# Altium PCB ArduinoZeroV4.0.PcbDoc (part 1 of 2) (continued)
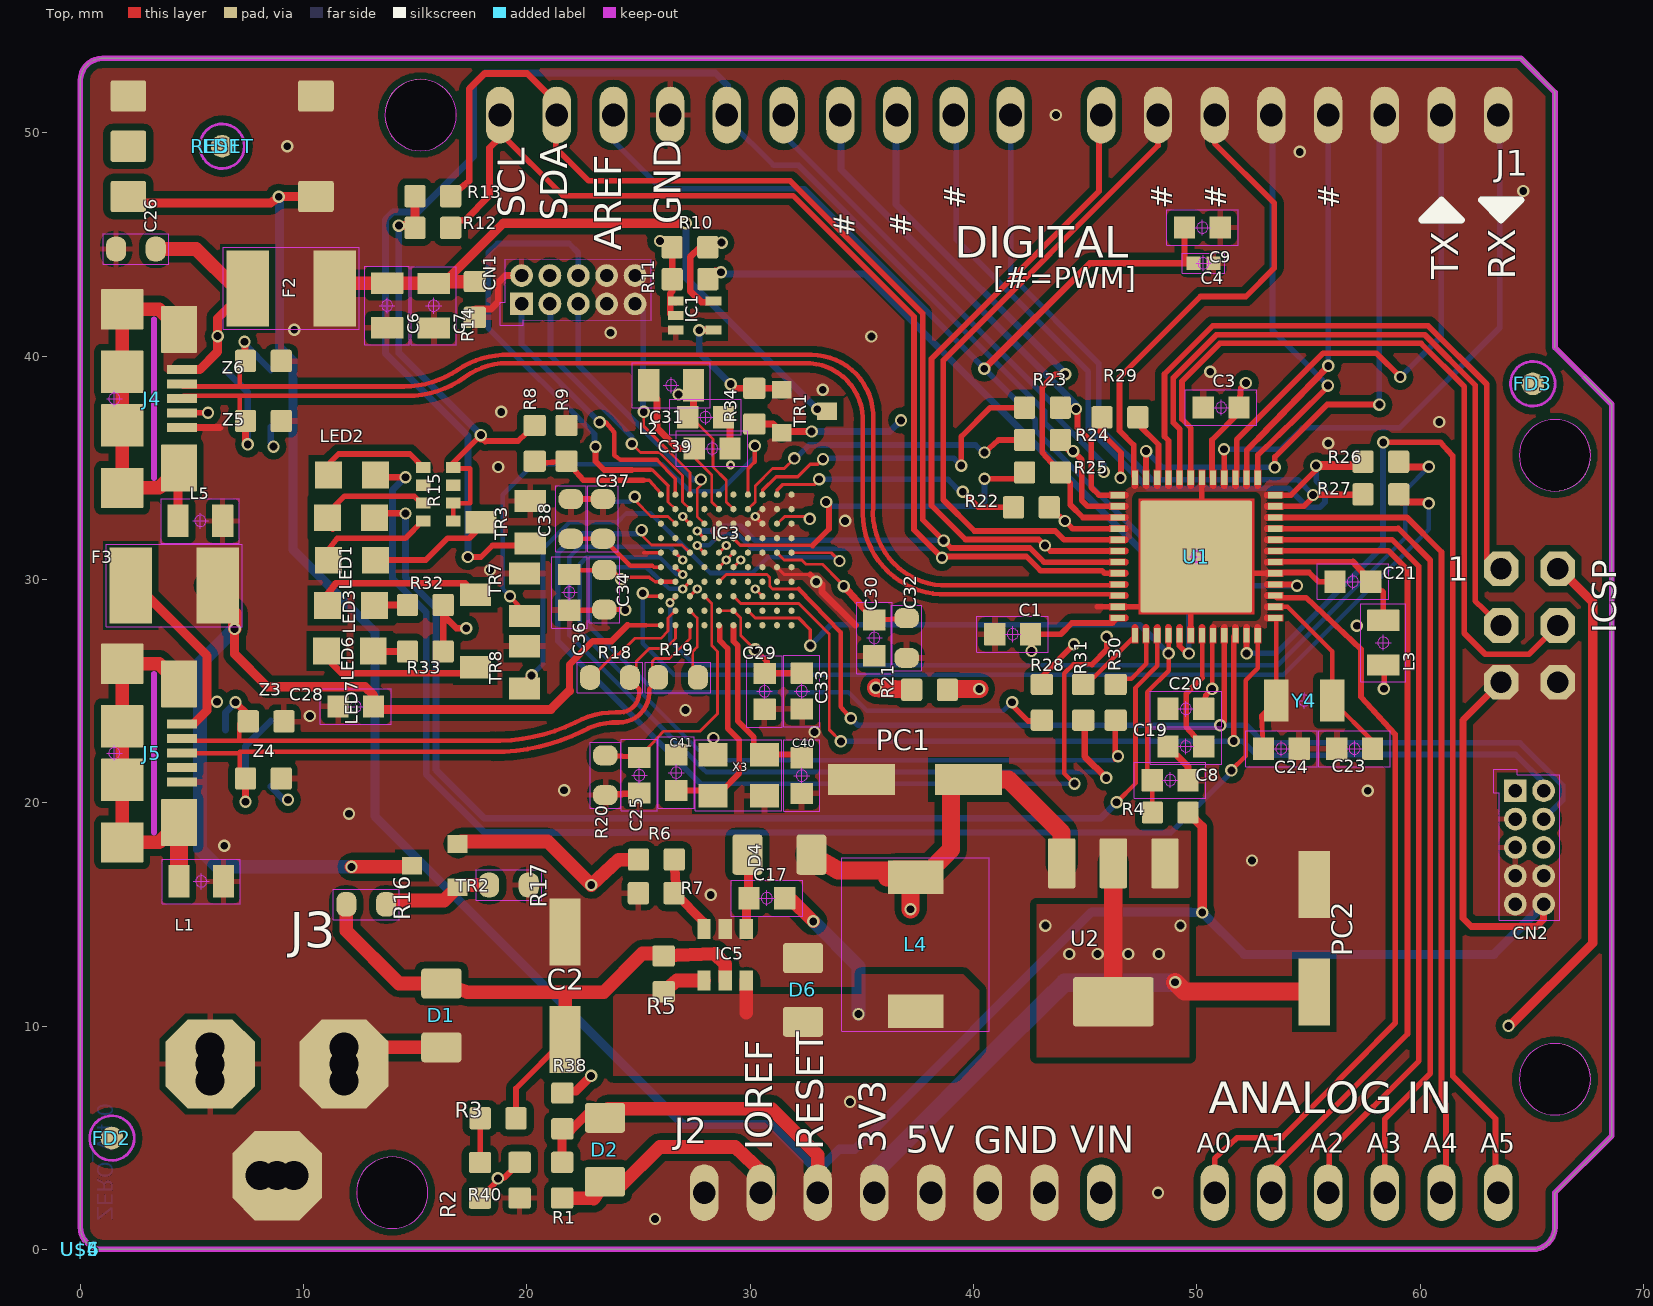
[diagram p0: Top view]
## Components (designator, comment, footprint, x,y, rotation, side; value= is the part's Value field where it differs from the comment)
BD+ "" TP-1.00MM 8.529,23.664 r0 top
BD- "" TP-1.00MM 6.5,23.266 r0 top
C1 "100n" 0603-1608X90N 41.755,27.55 r180 top
C2 "" PANASONIC_D 21.71,11.81 r270 top
C3 "100n" 0603-1608X90N 51.09,37.7 r0 top
C4 "100n" 0402-1005X55N 50.299,44.16 r0 top
C6 "22u" 0805-R2013X50N 13.74,42.27 r270 top
C7 "22u" 0805-R2013X50N 15.83,42.26 r270 top
C8 "10n" 0603-1608X90N 48.808,21.013 r0 top
C9 "" 0603-1608X90N 50.25,45.76 r180 top
C17 "10n" 0603-1608X90N 30.743,15.728 r0 top
C19 "100n" 0603-1608X90N 49.51,22.522 r180 top
C20 "100n" 0603-1608X90N 49.51,24.204 r180 top
C21 "100n" 0603-1608X90N 56.99,29.906 r180 top
C23 "22p" 0603-1608X90N 57.066,22.421 r0 top
C24 "22p" 0603-1608X90N 53.785,22.423 r180 top
C25 "10p" 0603-1608X90N 25.036,21.234 r270 top
C26 "10n" C0603-ROUND 2.49,44.8 r180 top
C28 "" 0603-1608X90N 12.334,24.311 r180 top
C29 "100n" 0603-1608X90N 30.645,24.99 r270 top
C30 "100n" 0603-1608X90N 35.561,27.381 r270 top
C31 "100n" 0603-1608X90N 27.999,37.272 r0 top
C32 "1uF" C0603-ROUND 37.008,27.381 r270 top
C33 "1u" 0603-1608X90N 32.313,25 r270 top
C34 "1uF" C0603-ROUND 23.473,29.54 r270 top
C36 "100n" 0603-1608X90N 21.902,29.42 r270 top
C37 "10nF" C0603-ROUND 23.406,32.714 r90 top
C38 "1uF" C0603-ROUND 21.972,32.714 r90 top
C39 "100n" 0603-1608X90N 28.299,35.864 r0 top
C40 "10p" 0603-1608X90N 32.31,21.214 r270 top
C41 "10p" 0603-1608X90N 26.688,21.349 r90 top
CN1 "" PINHEAD_2X05_127 22.301,42.977 r90 top
CN2 "" PINHEAD_2X05_127 64.897,18 r0 top
D1 "SS24FL" SOD123F 16.168,10.476 r90 top
D2 "SS24FL" SOD123F 23.496,4.46 r270 top
D4 "SS24FL" SOD123F 31.307,17.676 r180 top
D6 "SS24FL" SOD123F 32.364,11.618 r270 top
D+ "" TP-1.00MM 6.5,39.37 r0 top
D- "" TP-1.00MM 8.529,39.37 r0 top
F2 "MF-MSMF050-2 500mA" L1812 9.447,43.039 r180 top
F3 "MF-MSMF050-2 500mA" L1812 4.201,29.732 r180 top
FD1 "" FD-1-1.5 6.35,49.403 r0 top
FD2 "" FD-1-1.5 1.416,4.984 r0 top
FD3 "" FD-1-1.5 65.049,38.764 r0 top
IC1 "74LVC1G125DCKR" SC70-5 27.508,41.823 r270 top
IC3 "" VFBGA100 28.925,30.875 r180 top
IC5 "LM2734Y" SOT23-6 28.879,13.191 r180 top
ICSP "-" 2X03 64.897,27.94 r90 top
J1 "-" 1X18-CUSTOM 45.72,50.8 r180 top
J2 "-" 1X14-CUSTOM 45.72,2.54 r0 top
J3 "-" POWERSUPPLY_DC-21MM 5.461,8.382 r90 top
J4 "" ZX62-AB-5PA 1.524,38.1 r270 top
J5 "" ZX62-AB-5PA 1.524,22.225 r270 top
L1 "30R" 0805-R2013X50N 5.415,16.48 r180 top
L2 "30R" 0805-R2013X50N 26.46,38.7 r180 top
L3 "30R" 0805-R2013X50N 58.35,27.17 r270 top
L4 "10uH-SRR0604-100ML" SRR0604 37.413,13.66 r270 top
L5 "30R" 0805-R2013X50N 5.375,32.625 r0 top
LED1 "YELLOW" CHIPLED_0805 12.119,32.769 r0 top
LED2 "YELLOW" CHIPLED_0805 12.169,34.674 r0 top
LED3 "YELLOW" CHIPLED_0805 12.169,30.864 r0 top
LED6 "YELLOW" CHIPLED_0805 12.119,28.829 r180 top
LED7 "YELLOW" CHIPLED_0805 12.069,26.797 r180 top
PC1 "47u" PANASONIC_D 37.38,21.04 r0 top
PC2 "47u" PANASONIC_D 55.263,13.93 r270 top
R1 "10k" C0603 21.578,3.1 r270 top
R2 "" C0603 17.9,3.09 r270 top
R3 "" C0603 18.71,5.87 r180 top
R4 "330R" C0603 48.811,19.565 r0 top
R5 "52k3" C0603 26.126,12.342 r270 top
R6 "52k3" C0603 25.799,17.458 r0 top
R7 "10k" C0603 25.789,15.951 r180 top
R8 "52k3" C0603 20.35,36.1 r90 top
R9 "52k3" C0603 21.774,36.1 r270 top
R10 "10k" C0603 27.303,44.879 r0 top
R11 "330R" C0603 27.307,43.449 r0 top
R12 "10k" C0603 15.786,45.746 r180 top
R13 "10k" C0603 15.786,47.165 r180 top
R14 "10k" C0603 17.67,42.54 r90 top
R15 "470R" CAY16 16.035,33.82 r270 top
R16 "52K3" R0603-ROUND 12.807,15.45 r180 top
R17 "52K3" R0603-ROUND 19.195,16.317 r180 top
R18 "39R" R0603-ROUND 23.719,25.611 r180 top
R19 "39R" R0603-ROUND 26.766,25.613 r0 top
R20 "6K8" R0603-ROUND 23.516,21.234 r90 top
R21 "0R" C0603 38.03,25.06 r180 top
R22 "330R" C0603 42.59,33.233 r0 top
R23 "330R" C0603 43.09,37.696 r0 top
R24 "330R" C0603 43.09,36.244 r0 top
R25 "330R" C0603 43.09,34.793 r0 top
R26 "330R" C0603 58.242,35.274 r0 top
R27 "330R" C0603 58.242,33.81 r0 top
R28 "330R" C0603 43.063,24.5 r270 top
R29 "330R" C0603 46.558,37.262 r180 top
R30 "330R" C0603 46.366,24.5 r270 top
R31 "330R" C0603 44.915,24.5 r270 top
R32 "330R" C0603 15.45,28.854 r0 top
R33 "330R" C0603 15.45,26.772 r0 top
R34 "10k" C0603 30.182,37.761 r270 top
R38 "330R" C0603 21.589,6.2 r270 top
R40 "52k3" C0603 19.674,3.1 r90 top
RESET "-" TS42 6.35,49.403 r180 top
TP_EDBG_FORCE_BOOT "" TP-SP 23.875,33.488 r0 top
TP_GND "" TP-SP 26.41,50.798 r0 top
TR1 "PMV48XP" SOT-23 32.43,37.511 r270 top
TR2 "PMV48XP" SOT-23 15.87,17.215 r90 top
TR3 "2N7002" SOT23 19.045,32.565 r90 top
TR7 "2N7002" SOT23 18.795,29.315 r90 top
TR8 "2N7002" SOT23 18.795,26.065 r90 top
U1 "" QFN50P700X700X90-49XN-EPSQ515 49.978,31.028 r180 top
U2 "-" SOT223 46.26,14.19 r270 top
U5V1 "" TP-1.00MM 8.529,20.726 r0 top
U5V2 "" TP-1.00MM 8.529,36.83 r0 top
U$4 "" FRAME 0,0 r0 top
U$5 "" FRAME 0,0 r0 top
U$6 "" FRAME 0,0 r0 top
UGND1 "" TP-1.00MM 6.5,20.726 r0 top
UGND2 "" TP-1.00MM 6.5,36.83 r0 top
X3 "12mHz-12pF-K7" CRYSTAL-3.2-2.5 29.483,21.234 r0 top
Y4 "32768Hz" ABS07 54.807,24.581 r0 top
Z3 "" C0603 8.325,23.647 r180 top
Z4 "" C0603 8.2,21.089 r180 top
Z5 "-" C0603 8.2,37.101 r0 top
Z6 "-" C0603 8.2,39.789 r0 top

## Footprints (in the part's own frame and the unit in brackets; to place one, negate y for a bottom-side part, rotate by r counter-clockwise, add the part's x,y. Pads: shape width x height; smd on the part's side, far side on the other; paste and mask are expansions set on the pad)
1X14-CUSTOM [mil] "1X14-CUSTOM"
  oval 50x100 hole 40: 1(-700,0) 2(-600,0) 3(-500,0) 4(-400,0) 5(-300,0) 6(-200,0) 7(-100,0) 8(0,0) 9(200,0) 10(300,0) 11(400,0) 12(500,0) 13(600,0) 14(700,0)
  body extent -725,-50 725,50, height 150
1X18-CUSTOM [mil] "1X18-CUSTOM"
  oval 50x100 hole 40: 1(-700,0) 2(-600,0) 3(-500,0) 4(-400,0) 5(-300,0) 6(-200,0) 7(-100,0) 8(0,0) 9(160,0) 10(260,0) 11(360,0) 12(460,0) 13(560,0) 14(660,0) 15(760,0) 16(860,0) 17(960,0) 18(1060,0)
  body extent -725,-50 1085,50, height 150
2X03 [mm] "2X03"
  oct 1.55x1.55 / inner round 1.432 / far side oct 1.55x1.55 hole 0.95: 1(2.54,1.27) 2(2.54,-1.27) 3(0,1.27) 4(0,-1.27) 5(-2.54,1.27) 6(-2.54,-1.27)
  body extent -3.26,-1.99 3.26,1.99, height 3.81
0402-1005X55N [mm] "0402-1005X55N"
  rrect3% 0.62x0.62 smd: 1(-0.45,0) 2(0.45,0)
  Top keep-out circle w0.05: c0,0 r0.25
  Top keep-out lines w0.05: -0.35,0 0.35,0 ; 0,-0.35 0,0.35 ; -0.95,-0.45 -0.95,0.45 0.95,0.45 0.95,-0.45 -0.95,-0.45
  body extent -0.98,-0.48 0.98,0.48, height 3.81
0603-1608X90N [mm] "0603-1608X90N"
  rrect3% 0.95x1 smd: 1(-0.8,0) 2(0.8,0)
  Top keep-out circle w0.05: c0,0 r0.25
  Top keep-out lines w0.05: 0.35,0 -0.35,0 ; 0,0.35 0,-0.35 ; 1.6,0.8 -1.6,0.8 -1.6,-0.8 1.6,-0.8 1.6,0.8
  body extent -1.63,-0.83 1.63,0.83, height 3.81
0805-R2013X50N [mm] "0805-R2013X50N"
  rrect3% 0.95x1.45 smd: 1(-1,0) 2(1,0)
  Top keep-out circle w0.05: c0,0 r0.25
  Top keep-out lines w0.05: 0,-0.35 0,0.35 ; 0.35,0 -0.35,0 ; 1.75,-1 -1.75,-1 -1.75,1 1.75,1 1.75,-1
  body extent -1.78,-1.03 1.78,1.03, height 3.81
ABS07 [mm] "ABS07"
  rrect3% 1.1x1.9 smd: 1(-1.25,0) 2(1.25,0)
  Top keep-out circle w0.05: c0,0 r0.25
  Top keep-out lines w0.05: -0.35,0 0.35,0 ; 0,-0.35 0,0.35
  body extent -1.8,-0.95 1.8,0.95, height 3.81
C0603 [mm] "C0603"
  rrect20% 0.95x1 smd: 1(-0.8,0) 2(0.8,0)
  body extent -1.28,-0.51 1.28,0.51, height 1.27
C0603-ROUND [mil] "C0603-ROUND"
  rrect80% 35.37x43.31 smd: 1(-35,0) 2(35,0)
  Top keep-out lines w2: 57.99,26.89 57.99,-26.89 -57.99,-26.89 -57.99,26.89 57.99,26.89
  body extent -59,-28 59,28, height 150
CAY16 [mm] "CAY16"
  rect 0.5x0.65 smd: 1(-1.2,-0.675) 2(-0.4,-0.675) 3(0.4,-0.675) 4(1.2,-0.675) 5(1.2,0.675) 6(0.4,0.675) 7(-0.4,0.675) 8(-1.2,0.675)
  body extent -1.6,-1 1.6,1, height 3.81
CHIPLED_0805 [mm] "CHIPLED_0805"
  rect 1.2x1.2 smd: A(-1.05,0) C(1.05,0)
  body extent -1.65,-0.63 1.65,0.63, height 3.81
CRYSTAL-3.2-2.5 [mm] "CRYSTAL-3.2-2.5"
  rect 1.3x1.05 smd: 1(-1.15,-0.925) 2(1.15,-0.925) 3(1.15,0.925) 4(-1.15,0.925)
  Top keep-out lines w0.051: -1.94,-1.58 -1.94,1.58 1.94,1.58 1.94,-1.58 -1.94,-1.58
  body extent -1.97,-1.61 1.97,1.61, height 3.81
FD-1-1.5 [mil] "FD-1-1.5"
  rrect100% 40x40 smd paste+0: P$1(0,0)
  Top keep-out circle w5: c0,0 r39.37
  body extent -44,-44 44,44, height 150
FRAME [mm] "FRAME"
L1812 [mm] "L1812"
  rect 1.9x3.4 smd: 1(-1.95,0) 2(1.95,0)
  Top keep-out lines w0.051: 3.035,1.842 3.035,-1.841 -3.048,-1.842 -3.048,1.841 3.035,1.842
  body extent -3.08,-1.87 3.06,1.87, height 3.81
PANASONIC_D [mm] "PANASONIC_D"
  rect 3x1.4 smd: +(2.4,0) -(-2.4,0)
  body extent -3.9,-3.3 3.9,3.3, height 3.81
PINHEAD_2X05_127 [mil] "PINHEAD_2X05_127"
  rect 40x40 / inner round 36.96 / far side rect 40x40 hole 23.62: 1(-25,100)
  round 40 hole 23.62: 2(25,100) 3(-25,50) 4(25,50) 5(-25,0) 6(25,0) 7(-25,-50) 8(25,-50) 9(-25,-100) 10(25,-100)
  Top keep-out lines w1.97: -62.99,137.8 -21.65,137.8 -21.65,128.35 53.54,128.35 53.15,-128.35 -53.54,-128.35 -53.15,96.85 -62.99,96.85 -62.99,137.8
  body extent -64,-129 55,139, height 150
POWERSUPPLY_DC-21MM [mil] "POWERSUPPLY_DC-21MM"
  oct 157.48x157.48 / inner round 145.49 / far side oct 157.48x157.48 hole 51.18: +1(-3,-250) -1(-3,-14) E1(-200,-132)
  round 76.77 hole 51.18: +2(-33,-250) +3(27,-250) -2(-33,-14) -3(27,-14) E2(-200,-102) E3(-200,-162)
  body extent -273,-323 70,59, height 50
QFN50P700X700X90-49XN-EPSQ515 [mm] "QFN50P700X700X90-49XN-EPSQ515"
  rrect3% 0.65x0.28 smd paste+0 mask+0: 1(-3.525,2.75) 2(-3.525,2.25) 3(-3.525,1.75) 4(-3.525,1.25) 5(-3.525,0.75) 6(-3.525,0.25) 7(-3.525,-0.25) 8(-3.525,-0.75) 9(-3.525,-1.25) 10(-3.525,-1.75) 11(-3.525,-2.25) 12(-3.525,-2.75) 25(3.525,-2.75) 26(3.525,-2.25) 27(3.525,-1.75) 28(3.525,-1.25) 29(3.525,-0.75) 30(3.525,-0.25) 31(3.525,0.25) 32(3.525,0.75) 33(3.525,1.25) 34(3.525,1.75) 35(3.525,2.25) 36(3.525,2.75)
  rrect3% 0.28x0.65 smd paste+0 mask+0: 13(-2.75,-3.525) 14(-2.25,-3.525) 15(-1.75,-3.525) 16(-1.25,-3.525) 17(-0.75,-3.525) 18(-0.25,-3.525) 19(0.25,-3.525) 20(0.75,-3.525) 21(1.25,-3.525) 22(1.75,-3.525) 23(2.25,-3.525) 24(2.75,-3.525) 37(2.75,3.525) 38(2.25,3.525) 39(1.75,3.525) 40(1.25,3.525) 41(0.75,3.525) 42(0.25,3.525) 43(-0.25,3.525) 44(-0.75,3.525) 45(-1.25,3.525) 46(-1.75,3.525) 47(-2.25,3.525) 48(-2.75,3.525)
  rrect3% 5x5 smd paste+0 mask+0: 49(0,0)
  Top region: -2.589,2.589 2.589,2.589 2.589,-2.589 -2.589,-2.589
  Top region: 2.898,3.888 2.898,3.185 2.879,3.111 2.825,3.057 2.752,3.037 2.752,3.037 2.694,3.047 2.646,3.079 2.613,3.128 2.601,3.185 2.601,3.185 2.601,3.888
  Top region: 2.601,-3.888 2.601,-3.185 2.613,-3.128 2.646,-3.079 2.694,-3.047 2.752,-3.037 2.752,-3.037 2.825,-3.057 2.879,-3.111 2.898,-3.185 2.898,-3.185 2.898,-3.888
  Top region: 3.888,2.601 3.185,2.601 3.128,2.613 3.079,2.646 3.047,2.694 3.037,2.752 3.037,2.752 3.057,2.825 3.111,2.879 3.185,2.898 3.185,2.898 3.888,2.898
  Top region: -2.898,-3.888 -2.898,-3.185 -2.879,-3.111 -2.825,-3.057 -2.752,-3.037 -2.752,-3.037 -2.694,-3.047 -2.646,-3.079 -2.613,-3.128 -2.601,-3.185 -2.601,-3.185 -2.601,-3.888
  Top region: -2.399,-3.888 -2.399,-3.185 -2.387,-3.128 -2.354,-3.079 -2.306,-3.047 -2.248,-3.037 -2.248,-3.037 -2.175,-3.057 -2.121,-3.111 -2.102,-3.185 -2.102,-3.185 -2.102,-3.888
  Top region: -1.898,-3.888 -1.898,-3.185 -1.879,-3.111 -1.825,-3.057 -1.752,-3.037 -1.752,-3.037 -1.694,-3.047 -1.646,-3.079 -1.613,-3.128 -1.601,-3.185 -1.601,-3.185 -1.601,-3.888
  Top region: -1.399,-3.888 -1.399,-3.185 -1.387,-3.128 -1.354,-3.079 -1.306,-3.047 -1.248,-3.037 -1.248,-3.037 -1.175,-3.057 -1.121,-3.111 -1.102,-3.185 -1.102,-3.185 -1.102,-3.888
  Top region: -0.898,-3.888 -0.898,-3.185 -0.879,-3.111 -0.825,-3.057 -0.752,-3.037 -0.752,-3.037 -0.694,-3.047 -0.646,-3.079 -0.613,-3.128 -0.601,-3.185 -0.601,-3.185 -0.601,-3.888
  Top region: -0.399,-3.888 -0.399,-3.185 -0.387,-3.128 -0.354,-3.079 -0.306,-3.047 -0.248,-3.037 -0.248,-3.037 -0.175,-3.057 -0.121,-3.111 -0.102,-3.185 -0.102,-3.185 -0.102,-3.888
  Top region: 0.102,-3.888 0.102,-3.185 0.121,-3.111 0.175,-3.057 0.248,-3.037 0.248,-3.037 0.306,-3.047 0.354,-3.079 0.387,-3.128 0.399,-3.185 0.399,-3.185 0.399,-3.888
  Top region: 0.601,-3.888 0.601,-3.185 0.613,-3.128 0.646,-3.079 0.694,-3.047 0.752,-3.037 0.752,-3.037 0.825,-3.057 0.879,-3.111 0.898,-3.185 0.898,-3.185 0.898,-3.888
  Top region: 1.102,-3.888 1.102,-3.185 1.121,-3.111 1.175,-3.057 1.248,-3.037 1.248,-3.037 1.306,-3.047 1.354,-3.079 1.387,-3.128 1.399,-3.185 1.399,-3.185 1.399,-3.888
  Top region: 1.601,-3.888 1.601,-3.185 1.613,-3.128 1.646,-3.079 1.694,-3.047 1.752,-3.037 1.752,-3.037 1.825,-3.057 1.879,-3.111 1.898,-3.185 1.898,-3.185 1.898,-3.888
  Top region: 2.102,-3.888 2.102,-3.185 2.121,-3.111 2.175,-3.057 2.248,-3.037 2.248,-3.037 2.306,-3.047 2.354,-3.079 2.387,-3.128 2.399,-3.185 2.399,-3.185 2.399,-3.888
  Top region: -3.888,1.898 -3.185,1.898 -3.111,1.879 -3.057,1.825 -3.037,1.752 -3.037,1.752 -3.047,1.694 -3.079,1.646 -3.128,1.613 -3.185,1.601 -3.185,1.601 -3.888,1.601
  Top region: -3.888,1.399 -3.185,1.399 -3.128,1.387 -3.079,1.354 -3.047,1.306 -3.037,1.248 -3.037,1.248 -3.057,1.175 -3.111,1.121 -3.185,1.102 -3.185,1.102 -3.888,1.102
  Top region: -3.888,0.898 -3.185,0.898 -3.111,0.879 -3.057,0.825 -3.037,0.752 -3.037,0.752 -3.047,0.694 -3.079,0.646 -3.128,0.613 -3.185,0.601 -3.185,0.601 -3.888,0.601
  Top region: -3.888,0.399 -3.185,0.399 -3.128,0.387 -3.079,0.354 -3.047,0.306 -3.037,0.248 -3.037,0.248 -3.057,0.175 -3.111,0.121 -3.185,0.102 -3.185,0.102 -3.888,0.102
  Top region: -3.888,-0.102 -3.185,-0.102 -3.111,-0.121 -3.057,-0.175 -3.037,-0.248 -3.037,-0.248 -3.047,-0.306 -3.079,-0.354 -3.128,-0.387 -3.185,-0.399 -3.185,-0.399 -3.888,-0.399
  Top region: -3.888,-0.601 -3.185,-0.601 -3.128,-0.613 -3.079,-0.646 -3.047,-0.694 -3.037,-0.752 -3.037,-0.752 -3.057,-0.825 -3.111,-0.879 -3.185,-0.898 -3.185,-0.898 -3.888,-0.898
  Top region: -3.888,-1.102 -3.185,-1.102 -3.111,-1.121 -3.057,-1.175 -3.037,-1.248 -3.037,-1.248 -3.047,-1.306 -3.079,-1.354 -3.128,-1.387 -3.185,-1.399 -3.185,-1.399 -3.888,-1.399
  Top region: -3.888,-1.601 -3.185,-1.601 -3.128,-1.613 -3.079,-1.646 -3.047,-1.694 -3.037,-1.752 -3.037,-1.752 -3.057,-1.825 -3.111,-1.879 -3.185,-1.898 -3.185,-1.898 -3.888,-1.898
  Top region: -3.888,-2.102 -3.185,-2.102 -3.111,-2.121 -3.057,-2.175 -3.037,-2.248 -3.037,-2.248 -3.047,-2.306 -3.079,-2.354 -3.128,-2.387 -3.185,-2.399 -3.185,-2.399 -3.888,-2.399
  Top region: -3.888,-2.601 -3.185,-2.601 -3.128,-2.613 -3.079,-2.646 -3.047,-2.694 -3.037,-2.752 -3.037,-2.752 -3.057,-2.825 -3.111,-2.879 -3.185,-2.898 -3.185,-2.898 -3.888,-2.898
  Top region: 2.399,3.888 2.399,3.185 2.387,3.128 2.354,3.079 2.306,3.047 2.248,3.037 2.248,3.037 2.175,3.057 2.121,3.111 2.102,3.185 2.102,3.185 2.102,3.888
  Top region: 1.898,3.888 1.898,3.185 1.879,3.111 1.825,3.057 1.752,3.037 1.752,3.037 1.694,3.047 1.646,3.079 1.613,3.128 1.601,3.185 1.601,3.185 1.601,3.888
  Top region: 1.399,3.888 1.399,3.185 1.387,3.128 1.354,3.079 1.306,3.047 1.248,3.037 1.248,3.037 1.175,3.057 1.121,3.111 1.102,3.185 1.102,3.185 1.102,3.888
  Top region: 0.898,3.888 0.898,3.185 0.879,3.111 0.825,3.057 0.752,3.037 0.752,3.037 0.694,3.047 0.646,3.079 0.613,3.128 0.601,3.185 0.601,3.185 0.601,3.888
  Top region: 0.399,3.888 0.399,3.185 0.387,3.128 0.354,3.079 0.306,3.047 0.248,3.037 0.248,3.037 0.175,3.057 0.121,3.111 0.102,3.185 0.102,3.185 0.102,3.888
  Top region: -0.102,3.888 -0.102,3.185 -0.121,3.111 -0.175,3.057 -0.248,3.037 -0.248,3.037 -0.306,3.047 -0.354,3.079 -0.387,3.128 -0.399,3.185 -0.399,3.185 -0.399,3.888
  Top region: -0.601,3.888 -0.601,3.185 -0.613,3.128 -0.646,3.079 -0.694,3.047 -0.752,3.037 -0.752,3.037 -0.825,3.057 -0.879,3.111 -0.898,3.185 -0.898,3.185 -0.898,3.888
  Top region: -1.102,3.888 -1.102,3.185 -1.121,3.111 -1.175,3.057 -1.248,3.037 -1.248,3.037 -1.306,3.047 -1.354,3.079 -1.387,3.128 -1.399,3.185 -1.399,3.185 -1.399,3.888
  Top region: -1.601,3.888 -1.601,3.185 -1.613,3.128 -1.646,3.079 -1.694,3.047 -1.752,3.037 -1.752,3.037 -1.825,3.057 -1.879,3.111 -1.898,3.185 -1.898,3.185 -1.898,3.888
  Top region: -2.102,3.888 -2.102,3.185 -2.121,3.111 -2.175,3.057 -2.248,3.037 -2.248,3.037 -2.306,3.047 -2.354,3.079 -2.387,3.128 -2.399,3.185 -2.399,3.185 -2.399,3.888
  Top region: -2.601,3.888 -2.601,3.185 -2.613,3.128 -2.646,3.079 -2.694,3.047 -2.752,3.037 -2.752,3.037 -2.825,3.057 -2.879,3.111 -2.898,3.185 -2.898,3.185 -2.898,3.888
  Top region: 3.888,-2.898 3.185,-2.898 3.111,-2.879 3.057,-2.825 3.037,-2.752 3.037,-2.752 3.047,-2.694 3.079,-2.646 3.128,-2.613 3.185,-2.601 3.185,-2.601 3.888,-2.601
  Top region: 3.888,-2.399 3.185,-2.399 3.128,-2.387 3.079,-2.354 3.047,-2.306 3.037,-2.248 3.037,-2.248 3.057,-2.175 3.111,-2.121 3.185,-2.102 3.185,-2.102 3.888,-2.102
  Top region: 3.888,-1.898 3.185,-1.898 3.111,-1.879 3.057,-1.825 3.037,-1.752 3.037,-1.752 3.047,-1.694 3.079,-1.646 3.128,-1.613 3.185,-1.601 3.185,-1.601 3.888,-1.601
  Top region: 3.888,-1.399 3.185,-1.399 3.128,-1.387 3.079,-1.354 3.047,-1.306 3.037,-1.248 3.037,-1.248 3.057,-1.175 3.111,-1.121 3.185,-1.102 3.185,-1.102 3.888,-1.102
  Top region: 3.888,-0.898 3.185,-0.898 3.111,-0.879 3.057,-0.825 3.037,-0.752 3.037,-0.752 3.047,-0.694 3.079,-0.646 3.128,-0.613 3.185,-0.601 3.185,-0.601 3.888,-0.601
  Top region: 3.888,-0.399 3.185,-0.399 3.128,-0.387 3.079,-0.354 3.047,-0.306 3.037,-0.248 3.037,-0.248 3.057,-0.175 3.111,-0.121 3.185,-0.102 3.185,-0.102 3.888,-0.102
  Top region: 3.888,0.102 3.185,0.102 3.111,0.121 3.057,0.175 3.037,0.248 3.037,0.248 3.047,0.306 3.079,0.354 3.128,0.387 3.185,0.399 3.185,0.399 3.888,0.399
  Top region: 3.888,0.601 3.185,0.601 3.128,0.613 3.079,0.646 3.047,0.694 3.037,0.752 3.037,0.752 3.057,0.825 3.111,0.879 3.185,0.898 3.185,0.898 3.888,0.898
  Top region: 3.888,1.102 3.185,1.102 3.111,1.121 3.057,1.175 3.037,1.248 3.037,1.248 3.047,1.306 3.079,1.354 3.128,1.387 3.185,1.399 3.185,1.399 3.888,1.399
  Top region: 3.888,1.601 3.185,1.601 3.128,1.613 3.079,1.646 3.047,1.694 3.037,1.752 3.037,1.752 3.057,1.825 3.111,1.879 3.185,1.898 3.185,1.898 3.888,1.898
  Top region: 3.888,2.102 3.185,2.102 3.111,2.121 3.057,2.175 3.037,2.248 3.037,2.248 3.047,2.306 3.079,2.354 3.128,2.387 3.185,2.399 3.185,2.399 3.888,2.399
  Top region: -3.888,2.399 -3.19,2.399 -3.185,2.399 -3.128,2.387 -3.079,2.354 -3.047,2.306 -3.037,2.248 -3.037,2.248 -3.057,2.175 -3.111,2.121 -3.185,2.102 -3.185,2.102 -3.19,2.102 -3.888,2.102
  Top region: -3.888,2.898 -3.19,2.898 -3.185,2.898 -3.111,2.879 -3.057,2.825 -3.037,2.752 -3.037,2.752 -3.047,2.694 -3.079,2.646 -3.128,2.613 -3.185,2.601 -3.185,2.601 -3.19,2.601 -3.888,2.601
  Top keep-out circle w0.05: c0,0 r0.25
  Top keep-out lines w0.05: 0.35,0 -0.35,0 ; 0,0.35 0,-0.35
  body extent -3.88,-3.88 3.88,3.88, height 3.81
R0603-ROUND [mil] "R0603-ROUND"
  rrect80% 35.37x43.31 smd: 1(-35,0) 2(35,0)
  Top keep-out lines w2: 57.99,26.89 57.99,-26.89 -57.99,-26.89 -57.99,26.89 57.99,26.89
  body extent -59,-28 59,28, height 150
SC70-5 [mm] "SC70-5"
  rect 0.4x0.7 smd: 1(-0.65,-0.85) 2(0,-0.85) 3(0.65,-0.85) 4(0.65,0.85) 5(-0.65,0.85)
  body extent -1.07,-1.2 1.07,1.2, height 3.81
SOD123F [mm] "SOD123F"
  rrect20% 1.34x1.8 smd: A(-1.43,0) C(1.43,0)
  body extent -2.11,-0.91 2.11,0.91, height 1.27
SOT23 [mm] "SOT23"
  rect 1x1.4 smd: 1(-0.95,-1.1) 2(0.95,-1.1) 3(0,1.1)
  body extent -1.5,-1.8 1.5,1.8, height 3.81
SOT23-6 [mm] "SOT23-6"
  rect 0.6x0.9 smd: 1(-0.95,-1.15) 2(0,-1.15) 3(0.95,-1.15) 4(0.95,1.15) 5(0,1.15) 6(-0.95,1.15)
  body extent -1.51,-1.6 1.5,1.6, height 3.81
SOT223 [mm] "SOT223"
  rrect10% 2.235x1.219 smd: 1(-3.099,2.311) 2(-3.099,0) 3(-3.099,-2.311)
  rrect10% 2.2x3.6 smd: 4(3.099,0)
  body extent -4.22,-2.93 4.21,2.93, height 3.81
SOT-23 [mil] "SOT-23"
  rect 31x35 smd: 1(-1,40) 2(37,-40) 3(-39,-40)
  body extent -54,-58 53,58, height 150
SRR0604 [mm] "SRR0604"
  rect 1.5x2.5 smd: P$1(3,0) P$2(-3,0)
  Top keep-out lines w0.051: 3.893,-3.308 -3.886,-3.308 -3.886,3.296 3.893,3.296 3.893,-3.308
  body extent -3.91,-3.34 3.92,3.32, height 3.81
TP-1.00MM [mm] "TP-1.00MM"
  rrect100% 1x1 smd far side paste+0: X(0,0)
  body extent -0.51,-0.51 0.51,0.51, height 1.27
TP-SP [mil] "TP-SP"
  rrect100% 31.5x31.5 smd far side paste+0: X(0,0)
  body extent -16,-16 16,16, height 50
TS42 [mm] "TS42"
  rrect15% 1.6x1.4 smd: 1(4.2,-2.25) 2(-4.2,-2.25) 3(4.2,2.25) 4(-4.2,2.25)
  rrect15% 1.6x1.4 smd paste+0: 5(4.2,0)
  body extent -5.01,-2.96 5.01,2.96, height 3.81
VFBGA100 [mm] "VFBGA100"
  rrect100% 0.28x0.28 smd mask+0: A1(-2.925,2.925) A2(-2.275,2.925) A3(-1.625,2.925) A4(-0.975,2.925) A5(-0.325,2.925) A6(0.325,2.925) A7(0.975,2.925) A8(1.625,2.925) A9(2.275,2.925) A10(2.925,2.925) B1(-2.925,2.275) B2(-2.275,2.275) B3(-1.625,2.275) B4(-0.975,2.275) B5(-0.325,2.275) B6(0.325,2.275) B7(0.975,2.275) B8(1.625,2.275) B9(2.275,2.275) B10(2.925,2.275) C1(-2.925,1.625) C2(-2.275,1.625) C3(-1.625,1.625) C4(-0.975,1.625) C5(-0.325,1.625) C6(0.325,1.625) C7(0.975,1.625) C8(1.625,1.625) C9(2.275,1.625) C10(2.925,1.625) D1(-2.925,0.975) D2(-2.275,0.975) D3(-1.625,0.975) D4(-0.975,0.975) D5(-0.325,0.975) D6(0.325,0.975) D7(0.975,0.975) D8(1.625,0.975) D9(2.275,0.975) D10(2.925,0.975) E1(-2.925,0.325) E2(-2.275,0.325) E3(-1.625,0.325) E4(-0.975,0.325) E5(-0.325,0.325) E6(0.325,0.325) E7(0.975,0.325) E8(1.625,0.325) E9(2.275,0.325) E10(2.925,0.325) F1(-2.925,-0.325) F2(-2.275,-0.325) F3(-1.625,-0.325) F4(-0.975,-0.325) F5(-0.325,-0.325) F6(0.325,-0.325) F7(0.975,-0.325) F8(1.625,-0.325) F9(2.275,-0.325) F10(2.925,-0.325) G1(-2.925,-0.975) G2(-2.275,-0.975) G3(-1.625,-0.975) G4(-0.975,-0.975) G5(-0.325,-0.975) G6(0.325,-0.975) G7(0.975,-0.975) G8(1.625,-0.975) G9(2.275,-0.975) G10(2.925,-0.975) H1(-2.925,-1.625) H2(-2.275,-1.625) H3(-1.625,-1.625) H4(-0.975,-1.625) H5(-0.325,-1.625) H6(0.325,-1.625) H7(0.975,-1.625) H8(1.625,-1.625) H9(2.275,-1.625) H10(2.925,-1.625) J1(-2.925,-2.275) J2(-2.275,-2.275) J3(-1.625,-2.275) J4(-0.975,-2.275) J5(-0.325,-2.275) J6(0.325,-2.275) J7(0.975,-2.275) J8(1.625,-2.275) J9(2.275,-2.275) J10(2.925,-2.275) K1(-2.925,-2.925) K2(-2.275,-2.925) K3(-1.625,-2.925) K4(-0.975,-2.925) K5(-0.325,-2.925) K6(0.325,-2.925) K7(0.975,-2.925) K8(1.625,-2.925) K9(2.275,-2.925) K10(2.925,-2.925)
  body extent -3.58,-3.57 3.57,3.58, height 3.81
ZX62-AB-5PA [mm] "ZX62-AB-5PA"
  rrect3% 0.4x1.35 smd: 1(-1.3,3.025) 2(-0.65,3.025) 3(0,3.025) 4(0.65,3.025) 5(1.3,3.025)
  rrect3% 2.1x1.6 smd: 6(3.1,2.9) 11(-3.1,2.9)
  rrect3% 1.8x1.9 smd: 7(4,0.35) 10(-4,0.35)
  rrect3% 1.9x1.9 smd: 8(1.2,0.35) 9(-1.2,0.35)
  Top keep-out circle w0.05: c0,0 r0.25
  Top keep-out lines w0.05: 0,-0.35 0,0.35 ; 0.35,0 -0.35,0
  Top keep-out lines w0.254: 3.556,1.778 -3.556,1.778
  body extent -4.9,-2.41 4.9,3.7, height 3.81

## Part data
BD+ BD- D+ D- U5V1 U5V2 UGND1 UGND2: library part TP-1.00MM, PackageName=TP-1.00MM
C1 C3 C8 C9 C17 C19 C20 C21 C23 C24 C25 C28 C29 C30 C31 C33 C36 C39 C40 C41: library part 0603-1608X90N, PackageName=0603-1608X90N
C2 PC1 PC2: library part PANASONIC_D, PackageName=PANASONIC_D
C4: library part 0402-1005X55N, PackageName=0402-1005X55N
C6 C7 L1 L2 L3 L5: library part 0805-R2013X50N, PackageName=0805-R2013X50N
C26 C32 C34 C37 C38: library part C0603-ROUND, PackageName=C0603-ROUND
CN1 CN2: library part PINHEAD_2X05_127, PackageName=PINHEAD_2X05_127
D1 D2 D4 D6: library part SOD123F, PackageName=SOD123F
F2 F3: library part L1812, PackageName=L1812
FD1 FD2 FD3: library part FD-1-1.5, PackageName=FD-1-1.5
IC1: library part SC70-5, PackageName=SC70-5
IC3: library part VFBGA100, PackageName=VFBGA100
IC5: library part SOT23-6, PackageName=SOT23-6
ICSP: library part 2X03, PackageName=2X03
J1: library part 1X18-CUSTOM, PackageName=1X18-CUSTOM
J2: library part 1X14-CUSTOM, PackageName=1X14-CUSTOM
J3: library part POWERSUPPLY_DC-21MM, PackageName=POWERSUPPLY_DC-21MM
J4 J5: library part ZX62-AB-5PA, PackageName=ZX62-AB-5PA
L4: library part SRR0604, PackageName=SRR0604
LED1 LED2 LED3 LED6 LED7: library part CHIPLED_0805, PackageName=CHIPLED_0805
R1 R2 R3 R4 R5 R6 R7 R8 R9 R10 R11 R12 R13 R14 R21 R22 R23 R24 R25 R26 R27 R28 R29 R30 R31 R32 R33 R34 R38 R40 Z3 Z4 Z5 Z6: library part C0603, PackageName=C0603
R15: library part CAY16, PackageName=CAY16
R16 R17 R18 R19 R20: library part R0603-ROUND, PackageName=R0603-ROUND
RESET: library part TS42, PackageName=TS42
TP_EDBG_FORCE_BOOT TP_GND: library part TP-SP, PackageName=TP-SP
TR1 TR2: library part SOT-23, PackageName=SOT-23
TR3 TR7 TR8: library part SOT23, PackageName=SOT23
U1: library part QFN50P700X700X90-49XN-EPSQ515, PackageName=QFN50P700X700X90-49XN-EPSQ515
U2: library part SOT223, PackageName=SOT223
U$4 U$5 U$6: library part FRAME, PackageName=FRAME
X3: library part CRYSTAL-3.2-2.5, PackageName=CRYSTAL-3.2-2.5
Y4: library part ABS07, PackageName=ABS07

## Free pads (board coordinates)
  round 3.2 hole 3.2 unplated: MH1(66.04,35.56) MH2(66.04,7.62) MH3(15.24,50.8) MH4(13.97,2.54)

## Via types
v1: diameter 0.553/0.553/0.553/0.553 (per signal layer), hole 0.35, Top to Bottom, 142 vias
v2: diameter 0.413/0.413/0.413/0.413 (per signal layer), hole 0.21, Top to Bottom, 13 vias
v3: diameter 0.61/0.553/0.553/0.61 (per signal layer), hole 0.35, Top to Bottom, 1 vias
v4: diameter 0.403/0.403/0.403/0.403 (per signal layer), hole 0.2, Top to Bottom, 1 vias

## Nets (pads, with @x,y where several pads share a name; then routed paths per layer and width w, separated by ;. In a path a pad name is that pad's centre, name@x,y a point inside that pad or via, vN(x,y) a via of type N, cw(c..) or ccw(c..) an arc to the next point about the centre after c; other vN are vias at no path point)
5-GND: RESET.5
+3V3: C1.1 C3.2 C20.1 CN2.1 D2.C IC1.5 J2.2 J2.4 L3.2 PC2.+ R1.2 R8.2 R10.2 R12.2 R13.2 R15.5 R15.6 R15.8 R21.1 U1.17 U1.36 U1.44 U2.2 U2.4 | length 92.8
  Top w0.203: R15.5@16.71,32.62 R15.6@16.71,33.42 17.47,33.42 17.47,34.97 16.76,34.97 R15.8@16.71,35.02 ; v1(50.686,25.1) 50.686,27.461 U1.44@50.728,27.503
  Top w0.254: R15.8@16.71,35.02 16.71,35.235 v1(17.94,36.465) ; 18.135,36.205 19.6,36.205 R8.2@20.35,36.9 ; C1.1@42.555,27.55 42.6,27.506 v1(42.6,26.8) ; C1.1@42.86,27.55 43.906,27.55 44.406,28.05 46.225,28.05 U1.36@46.453,28.278 ; C20.1@50.311,24.204 50.409,24.823 v1(50.686,25.1) ; U1.17@50.728,34.553 50.678,34.603 50.678,36.253 C3.2@51.938,37.513 ; C3.2@51.89,37.7 51.979,38.579 v1(52.2,38.8) ; L3.2@58.35,26.17 58.4,26.12 58.4,25.11 v1(58.38,25.11)
  Top w0.305: v1@17.94,36.335 18.135,36.205 ; IC1.5@28.358,42.473 28.354,42.418 27.817,42.418 27.313,42.922 27.313,44.446 27.746,44.879 R10.2@28.103,44.879 28.638,45.021 cw(c28.702,45.021) 28.702,45.085 v1(28.718,45.085) ; C1.1@42.555,27.55 C1.1@42.86,27.55 ; C3.2@51.89,37.7 C3.2@51.938,37.513
  Top w0.406: v1(14.265,45.848) 14.773,45.848 R12.2@14.986,45.746 14.98,45.758 14.986,45.834 R13.2@14.986,47.165 ; v1@17.94,36.335 v1(17.94,36.465)
  Top w0.61: R1.2@21.578,2.3 22.987,2.281 D2.C@23.496,3.03 23.581,2.845 24.206,2.845 25.946,4.585 29.339,4.585 30.55,3.445 30.55,2.61 J2.2@30.48,2.54
  Top w0.813: R21.1@38.831,25.06 38.955,25.096 v1(40.257,25.096) ; U2.4@46.26,11.091 U2.2@46.26,17.289 ; v1(49.027,11.966) 49.447,11.546 55.263,11.546 PC2.+@55.263,11.53
  Route2 w0.61: J2.2@30.48,2.54 30.55,2.61 30.55,4.16 30.875,4.485 34.848,4.485 35.108,4.282 35.555,3.835 35.555,2.544 35.558,2.54 J2.4@35.56,2.54
  Bottom w0.254: 43.18,10.795 43.18,11.049
  Bottom w0.305: v1(14.265,45.848) 14.265,40.138 v1(17.94,36.465)
  Bottom w0.813: J2.4@35.56,2.54 35.555,2.545 35.555,3.445 42.154,10.043 42.174,10.043 43.18,11.049 44.069,11.938 48.999,11.938 v1(49.027,11.966)
  other v1: 44.29,13.23 45.56,13.23 46.93,13.23 48.3,13.23 43.22,14.5 49.27,14.5
+5V: D4.A ICSP.2 J2.5 L4.P$2 PC1.+ R6.1 R34.2 TR1.2 TR2.2 U2.3 | length 72.3
  Top w0.305: R34.2@30.182,36.961 31.025,36.961 TR1.2@31.414,36.572 31.468,36.625 v1(32.75,36.625)
  Top w0.406: v1(63.96,10.01) 64.025,10.01 67.733,13.718 67.733,28.987 66.24,30.48 ICSP.2@66.167,30.48
  Top w0.61: TR2.2@16.886,18.154 16.915,18.125 17.055,18.265 20.93,18.265 v1(22.88,16.315) 24.11,17.458 R6.1@24.999,17.458
  Top w0.813: D4.A@32.737,17.676 33.944,16.97 L4.P$2@36.449,16.97 ; v1(37.18,15.232) 37.18,16.66 L4.P$2@37.413,16.66 36.139,16.66 L4.P$2@36.449,16.97 ; U2.3@43.949,17.289 43.942,17.296 43.942,18.669 41.571,21.04 PC1.+@39.78,21.04 39.328,21.04 38.989,20.701 38.989,17.907 38.1,17.018 36.497,17.018 L4.P$2@36.449,16.97
  Route2 w0.61: J2.5@38.1,2.54 38.1,1.225 38.48,0.845 49.27,0.845
  Bottom w0.305: v1(32.75,36.625) 36.25,36.625 v1(36.75,37.125)
BD+: BD+.X IC3.A8 J5.3 R19.1 Z4.2 | length 32.8
  Top w0.127: R19.1@25.61,25.88 25.61,26.325 25.74,26.455 26.39,26.455 27.3,27.365 IC3.A8@27.3,27.95
  Top w0.2: J5.3@4.549,22.225 7.14,22.225 ; Z4.2@7.4,21.089 cw(c7.31,21.259) 7.14,21.169 7.14,22.225 ; 18.486,22.276 cw(c18.505,22.276) 18.505,22.295 7.14,22.295 7.14,22.225
  Top w0.203: 18.486,22.276 ccw(c18.487,31.365) 22.49,23.205 cw(c23.97,20.619) 24.115,23.595 ccw(c24.122,24.954) 25.48,24.895 25.48,25.09 25.877,25.561 R19.1@25.877,25.613 R19.1@25.61,25.88
  Top w0.305: v1(7.4,20.05) Z4.2@7.4,21.089
  Bottom w0.305: v1(7.4,20.05) 7.4,22.535 BD+.X@8.529,23.664
BD-: BD-.X IC3.A9 J5.2 R18.1 Z3.2 | length 29.4
  Top w0.127: R18.1@24.895,25.898 24.895,26.325 25.48,26.91 26.195,26.91 26.65,27.365 IC3.A9@26.65,27.95
  Top w0.2: J5.2@4.549,22.875 ccw(c4.65,22.875) 4.65,22.774 7.12,22.774 ; Z3.2@7.525,23.647 ccw(c7.38,23.387) 7.12,23.532 7.12,22.774 ; 18.317,22.774 7.12,22.774
  Top w0.203: 18.317,22.774 ccw(c18.587,30.941) 22.165,23.595 cw(c23.969,20.246) 23.985,24.05 ccw(c24.017,31.927) 24.05,24.05 ccw(c24.144,24.926) 25.025,24.895 25.025,25.09 24.608,25.507 R18.1@24.608,25.611 R18.1@24.895,25.898
  Top w0.305: v1(6.95,24.5) 7.525,23.925 Z3.2@7.525,23.647
  Bottom w0.305: BD-.X@6.5,23.266 6.5,24.05 v1(6.95,24.5)
BOOST: C17.1 D4.C IC5.1 | length 3.5
  Top w0.406: IC5.1@29.829,14.342 29.829,15.722 C17.1@29.943,15.728 29.918,15.753 29.93,17.624 D4.C@29.877,17.676
DGI_GPIO0: R29.1 U1.22 | length 3.1
  Top w0.254: R29.1@47.358,37.262 47.417,36.908 48.286,36.039 48.286,34.611 U1.22@48.228,34.553
DGI_GPIO1: J1.8 R28.1 U1.30 | length 37.2
  Top w0.254: R28.1@43.063,25.3 43.063,25.663 v1(44.5,27.1) ; J1.8@45.72,50.8 45.63,50.71 45.623,50.245 45.623,47.383 38.123,39.883 38.123,33.313 39.641,31.794 42.925,31.794 v1(43.2,31.519) 43.441,31.278 U1.30@46.453,31.278
  Route2 w0.254: v1(43.2,31.519) 43.281,31.519 44.5,30.3 v1(44.5,27.1)